# EAGLE board Mk4 Final Panel 8up 4x2 (EAGLE 9.0.1), part 16 of 23
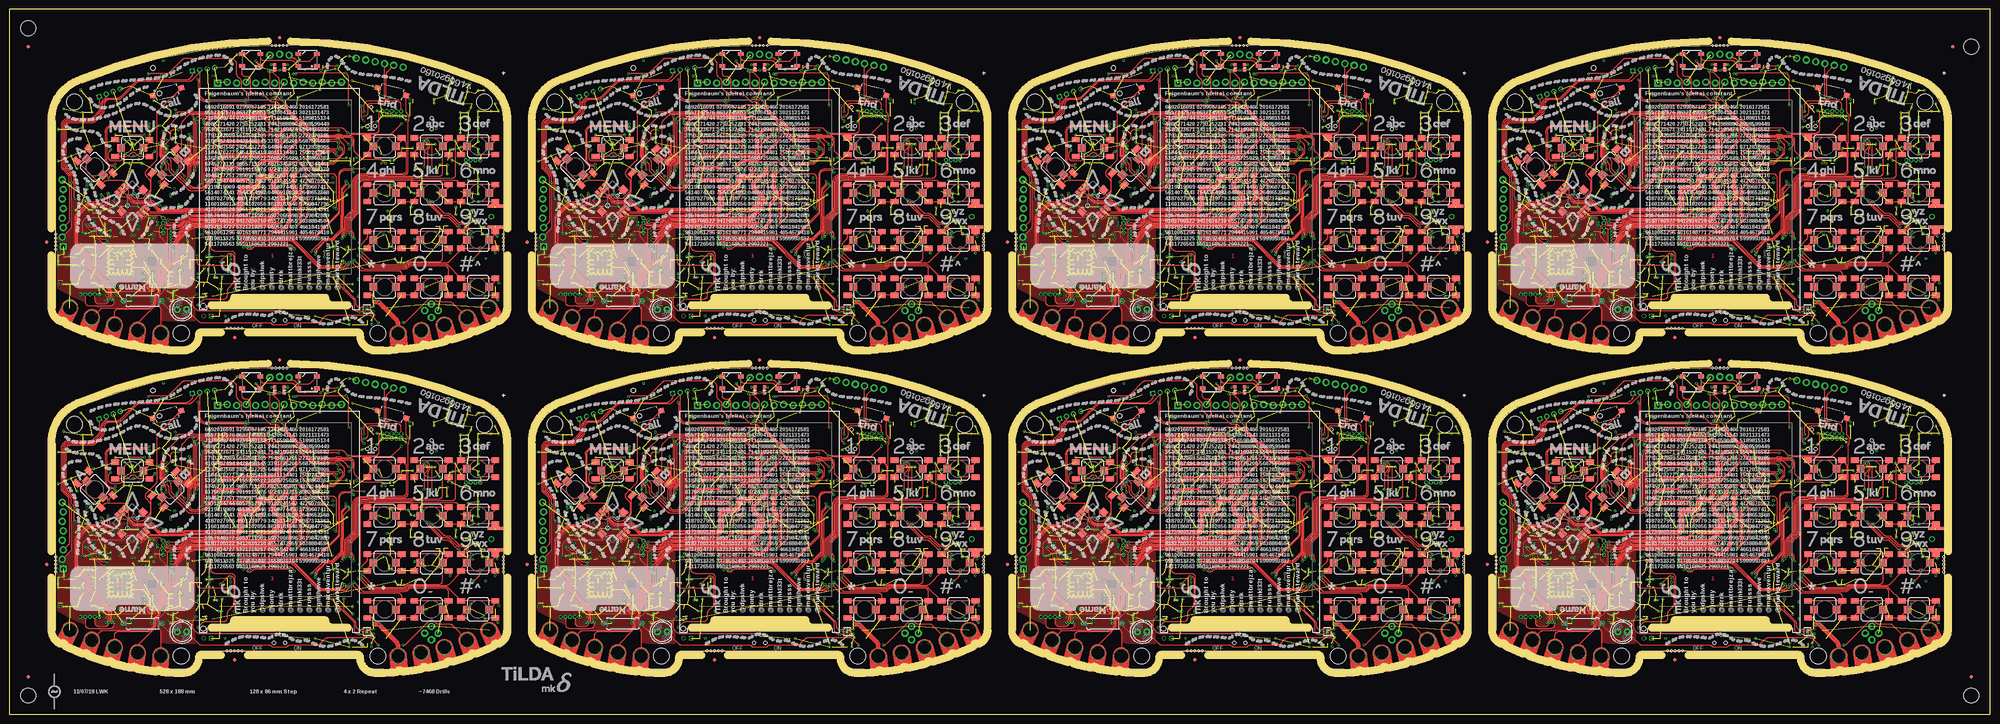
[diagram p0: board, top side]
## Tracks (layer width: path | path; a pad name or v marks a point on that pad's centre or on a via) (continued)
PWM3_MIC_PWM1  (via drill 0.3) (continued)
  Top 0.15: v215.7,66.3 215.39,66.61 arc45 214.69,66.9 210.39,66.9 210.37,66.88 208.98,66.88 arc-45 208.28,67.17 205.56,69.88 arc45 205.21,70.03 201.64,70.03 arc45 200.93,69.73 199.29,68.09 arc45 199,67.39 199,64.7 arc-90 198,63.7 194.48,63.7 arc-45 v194,63.9
  Bottom 0.15: IC20.45 193.29,63.6 arc45 v193.99,63.89 v194,63.9 | v215.7,66.3 215.39,66.61 arc-45 215.1,67.31 215.1,69.75 arc-90 216.1,70.75 R131.2
PWM3_MIC_PWM2  (via drill 0.3)
  Top 0.15: v87.7,152.3 87.39,152.61 arc45 86.69,152.9 82.39,152.9 82.37,152.88 80.98,152.88 arc-45 80.28,153.17 77.56,155.88 arc45 77.21,156.03 73.64,156.03 arc45 72.93,155.73 71.29,154.09 arc45 71,153.39 71,150.7 arc-90 70,149.7 66.48,149.7 arc-45 v66,149.9
  Bottom 0.15: IC38.45 65.29,149.6 arc45 v65.99,149.89 v66,149.9 | v87.7,152.3 87.39,152.61 arc-45 87.1,153.31 87.1,155.75 arc-90 88.1,156.75 R209.2
PWM3_MIC_PWM3  (via drill 0.3)
  Top 0.15: v215.7,152.3 215.39,152.61 arc45 214.69,152.9 210.39,152.9 210.37,152.88 208.98,152.88 arc-45 208.28,153.17 205.56,155.88 arc45 205.21,156.03 201.64,156.03 arc45 200.93,155.73 199.29,154.09 arc45 199,153.39 199,150.7 arc-90 198,149.7 194.48,149.7 arc-45 v194,149.9
  Bottom 0.15: IC56.45 193.29,149.6 arc45 v193.99,149.89 v194,149.9 | v215.7,152.3 215.39,152.61 arc-45 215.1,153.31 215.1,155.75 arc-90 216.1,156.75 R287.2
PWM3_MIC_PWM4  (via drill 0.3)
  Top 0.15: v343.7,66.3 343.39,66.61 arc45 342.69,66.9 338.39,66.9 338.37,66.88 336.98,66.88 arc-45 336.27,67.17 333.56,69.88 arc45 333.21,70.03 329.64,70.03 arc45 328.93,69.73 327.29,68.09 arc45 327,67.39 327,64.7 arc-90 326,63.7 322.48,63.7 arc-45 v322,63.9
  Bottom 0.15: IC74.45 321.29,63.6 arc45 v321.99,63.89 v322,63.9 | v343.7,66.3 343.39,66.61 arc-45 343.1,67.31 343.1,69.75 arc-90 344.1,70.75 R365.2
PWM3_MIC_PWM5  (via drill 0.3)
  Top 0.15: v471.7,66.3 471.39,66.61 arc45 470.69,66.9 466.39,66.9 466.37,66.88 464.98,66.88 arc-45 464.27,67.17 461.56,69.88 arc45 461.21,70.03 457.64,70.03 arc45 456.93,69.73 455.29,68.09 arc45 455,67.39 455,64.7 arc-90 454,63.7 450.48,63.7 arc-45 v450,63.9
  Bottom 0.15: IC92.45 449.29,63.6 arc45 v449.99,63.89 v450,63.9 | v471.7,66.3 471.39,66.61 arc-45 471.1,67.31 471.1,69.75 arc-90 472.1,70.75 R443.2
PWM3_MIC_PWM6  (via drill 0.3)
  Top 0.15: v343.7,152.3 343.39,152.61 arc45 342.69,152.9 338.39,152.9 338.37,152.88 336.98,152.88 arc-45 336.27,153.17 333.56,155.88 arc45 333.21,156.03 329.64,156.03 arc45 328.93,155.73 327.29,154.09 arc45 327,153.39 327,150.7 arc-90 326,149.7 322.48,149.7 arc-45 v322,149.9
  Bottom 0.15: IC110.45 321.29,149.6 arc45 v321.99,149.89 v322,149.9 | v343.7,152.3 343.39,152.61 arc-45 343.1,153.31 343.1,155.75 arc-90 344.1,156.75 R521.2
PWM3_MIC_PWM7  (via drill 0.3)
  Top 0.15: v471.7,152.3 471.39,152.61 arc45 470.69,152.9 466.39,152.9 466.37,152.88 464.98,152.88 arc-45 464.27,153.17 461.56,155.88 arc45 461.21,156.03 457.64,156.03 arc45 456.93,155.73 455.29,154.09 arc45 455,153.39 455,150.7 arc-90 454,149.7 450.48,149.7 arc-45 v450,149.9
  Bottom 0.15: IC128.45 449.29,149.6 arc45 v449.99,149.89 v450,149.9 | v471.7,152.3 471.39,152.61 arc-45 471.1,153.31 471.1,155.75 arc-90 472.1,156.75 R599.2
PWM6_LCD_BLIGHT  (via drill 0.3)
  Top 0.15: v87.1,48.8 87.1,57.2 arc90 86.1,58.2 80.99,58.2 arc-45 80.28,58.49 76.85,61.92 v76.85,62.15 | v65.5,70.6 66.03,70.07 arc-45 66.17,69.72 66.17,69.35 arc90 66.92,68.6 v70.8,68.6
  3V3@2 0.15: v70.8,68.6 76.85,62.55 v76.85,62.15
  Bottom 0.15: Q8.3 87.42,49.33 arc-45 87.28,48.98 v87.1,48.8 | IC1.63 65.3,70.8 v65.5,70.6
PWM6_LCD_BLIGHT1  (via drill 0.3)
  Top 0.15: v215.1,48.8 215.1,57.2 arc90 214.1,58.2 208.99,58.2 arc-45 208.28,58.49 204.85,61.92 v204.85,62.15 | v193.5,70.6 194.03,70.07 arc-45 194.18,69.72 194.18,69.35 arc90 194.93,68.6 v198.8,68.6
  3V3@2 0.15: v198.8,68.6 204.85,62.55 v204.85,62.15
  Bottom 0.15: Q4.3 215.42,49.33 arc-45 215.28,48.98 v215.1,48.8 | IC20.63 193.3,70.8 v193.5,70.6
PWM6_LCD_BLIGHT2  (via drill 0.3)
  Top 0.15: v87.1,134.8 87.1,143.2 arc90 86.1,144.2 80.99,144.2 arc-45 80.28,144.49 76.85,147.92 v76.85,148.15 | v65.5,156.6 66.03,156.07 arc-45 66.17,155.72 66.17,155.35 arc90 66.92,154.6 v70.8,154.6
  3V3@2 0.15: v70.8,154.6 76.85,148.55 v76.85,148.15
  Bottom 0.15: Q9.3 87.42,135.33 arc-45 87.28,134.98 v87.1,134.8 | IC38.63 65.3,156.8 v65.5,156.6
PWM6_LCD_BLIGHT3  (via drill 0.3)
  Top 0.15: v215.1,134.8 215.1,143.2 arc90 214.1,144.2 208.99,144.2 arc-45 208.28,144.49 204.85,147.92 v204.85,148.15 | v193.5,156.6 194.03,156.07 arc-45 194.18,155.72 194.18,155.35 arc90 194.93,154.6 v198.8,154.6
  3V3@2 0.15: v198.8,154.6 204.85,148.55 v204.85,148.15
  Bottom 0.15: Q13.3 215.42,135.33 arc-45 215.28,134.98 v215.1,134.8 | IC56.63 193.3,156.8 v193.5,156.6
PWM6_LCD_BLIGHT4  (via drill 0.3)
  Top 0.15: v343.1,48.8 343.1,57.2 arc90 342.1,58.2 336.99,58.2 arc-45 336.28,58.49 332.85,61.92 v332.85,62.15 | v321.5,70.6 322.03,70.07 arc-45 322.18,69.72 322.18,69.35 arc90 322.93,68.6 v326.8,68.6
  3V3@2 0.15: v326.8,68.6 332.85,62.55 v332.85,62.15
  Bottom 0.15: Q17.3 343.42,49.33 arc-45 343.28,48.98 v343.1,48.8 | IC74.63 321.3,70.8 v321.5,70.6
PWM6_LCD_BLIGHT5  (via drill 0.3)
  Top 0.15: v471.1,48.8 471.1,57.2 arc90 470.1,58.2 464.99,58.2 arc-45 464.28,58.49 460.85,61.92 v460.85,62.15 | v449.5,70.6 450.03,70.07 arc-45 450.18,69.72 450.18,69.35 arc90 450.93,68.6 v454.8,68.6
  3V3@2 0.15: v454.8,68.6 460.85,62.55 v460.85,62.15
  Bottom 0.15: Q21.3 471.42,49.33 arc-45 471.28,48.98 v471.1,48.8 | IC92.63 449.3,70.8 v449.5,70.6
PWM6_LCD_BLIGHT6  (via drill 0.3)
  Top 0.15: v343.1,134.8 343.1,143.2 arc90 342.1,144.2 336.99,144.2 arc-45 336.28,144.49 332.85,147.92 v332.85,148.15 | v321.5,156.6 322.03,156.07 arc-45 322.18,155.72 322.18,155.35 arc90 322.93,154.6 v326.8,154.6
  3V3@2 0.15: v326.8,154.6 332.85,148.55 v332.85,148.15
  Bottom 0.15: Q25.3 343.42,135.33 arc-45 343.28,134.98 v343.1,134.8 | IC110.63 321.3,156.8 v321.5,156.6
PWM6_LCD_BLIGHT7  (via drill 0.3)
  Top 0.15: v471.1,134.8 471.1,143.2 arc90 470.1,144.2 464.99,144.2 arc-45 464.28,144.49 460.85,147.92 v460.85,148.15 | v449.5,156.6 450.03,156.07 arc-45 450.18,155.72 450.18,155.35 arc90 450.93,154.6 v454.8,154.6
  3V3@2 0.15: v454.8,154.6 460.85,148.55 v460.85,148.15
  Bottom 0.15: Q29.3 471.42,135.33 arc-45 471.28,134.98 v471.1,134.8 | IC128.63 449.3,156.8 v449.5,156.6
PWR_KEY_FET
  Bottom 0.15: IC5.39 111.4,43.25 arc-90 109.9,41.75 103.67,41.75 Q1.3
PWR_KEY_FET1
  Bottom 0.15: IC21.39 239.4,43.25 arc-90 237.9,41.75 231.68,41.75 Q6.3
PWR_KEY_FET2
  Bottom 0.15: IC39.39 111.4,129.25 arc-90 109.9,127.75 103.67,127.75 Q11.3
PWR_KEY_FET3
  Bottom 0.15: IC57.39 239.4,129.25 arc-90 237.9,127.75 231.68,127.75 Q15.3
PWR_KEY_FET4
  Bottom 0.15: IC75.39 367.4,43.25 arc-90 365.9,41.75 359.68,41.75 Q19.3
PWR_KEY_FET5
  Bottom 0.15: IC93.39 495.4,43.25 arc-90 493.9,41.75 487.68,41.75 Q23.3
PWR_KEY_FET6
  Bottom 0.15: IC111.39 367.4,129.25 arc-90 365.9,127.75 359.68,127.75 Q27.3
PWR_KEY_FET7
  Bottom 0.15: IC129.39 495.4,129.25 arc-90 493.9,127.75 487.68,127.75 Q31.3
RBIAS+
  Bottom 0.2: IC1.59 62.8,69.2 R3.1
RBIAS+1
  Bottom 0.2: IC20.59 190.8,69.2 R87.1
RBIAS+2
  Bottom 0.2: IC38.59 62.8,155.2 R165.1
RBIAS+3
  Bottom 0.2: IC56.59 190.8,155.2 R243.1
RBIAS+4
  Bottom 0.2: IC74.59 318.8,69.2 R321.1
RBIAS+5
  Bottom 0.2: IC92.59 446.8,69.2 R399.1
RBIAS+6
  Bottom 0.2: IC110.59 318.8,155.2 R477.1
RBIAS+7
  Bottom 0.2: IC128.59 446.8,155.2 R555.1
SDRAM_!CAS  (via drill 0.3)
  Top 0.15: v55.5,62.25 55.96,62.71 arc-45 56.66,63 70.1,63 arc90 71.6,64.5 71.6,66.69 arc-45 71.89,67.39 v72.5,68
  Bottom 0.15: IC2.17 54.95,62.3 55,62.25 v55.5,62.25 | IC1.83 73,68.91 arc-45 72.71,68.21 v72.5,68
SDRAM_!CAS1  (via drill 0.3)
  Top 0.15: v183.5,62.25 183.96,62.71 arc-45 184.66,63 198.1,63 arc90 199.6,64.5 199.6,66.69 arc-45 199.89,67.39 v200.5,68
  Bottom 0.15: IC19.17 182.95,62.3 183,62.25 v183.5,62.25 | IC20.83 201,68.91 arc-45 200.71,68.21 v200.5,68
SDRAM_!CAS2  (via drill 0.3)
  Top 0.15: v55.5,148.25 55.96,148.71 arc-45 56.66,149 70.1,149 arc90 71.6,150.5 71.6,152.69 arc-45 71.89,153.39 v72.5,154
  Bottom 0.15: IC37.17 54.95,148.3 55,148.25 v55.5,148.25 | IC38.83 73,154.91 arc-45 72.71,154.21 v72.5,154
SDRAM_!CAS3  (via drill 0.3)
  Top 0.15: v183.5,148.25 183.96,148.71 arc-45 184.66,149 198.1,149 arc90 199.6,150.5 199.6,152.69 arc-45 199.89,153.39 v200.5,154
  Bottom 0.15: IC55.17 182.95,148.3 183,148.25 v183.5,148.25 | IC56.83 201,154.91 arc-45 200.71,154.21 v200.5,154
SDRAM_!CAS4  (via drill 0.3)
  Top 0.15: v311.5,62.25 311.96,62.71 arc-45 312.66,63 326.1,63 arc90 327.6,64.5 327.6,66.69 arc-45 327.89,67.39 v328.5,68
  Bottom 0.15: IC73.17 310.95,62.3 311,62.25 v311.5,62.25 | IC74.83 329,68.91 arc-45 328.71,68.21 v328.5,68
SDRAM_!CAS5  (via drill 0.3)
  Top 0.15: v439.5,62.25 439.96,62.71 arc-45 440.66,63 454.1,63 arc90 455.6,64.5 455.6,66.69 arc-45 455.89,67.39 v456.5,68
  Bottom 0.15: IC91.17 438.95,62.3 439,62.25 v439.5,62.25 | IC92.83 457,68.91 arc-45 456.71,68.21 v456.5,68
SDRAM_!CAS6  (via drill 0.3)
  Top 0.15: v311.5,148.25 311.96,148.71 arc-45 312.66,149 326.1,149 arc90 327.6,150.5 327.6,152.69 arc-45 327.89,153.39 v328.5,154
  Bottom 0.15: IC109.17 310.95,148.3 311,148.25 v311.5,148.25 | IC110.83 329,154.91 arc-45 328.71,154.21 v328.5,154
SDRAM_!CAS7  (via drill 0.3)
  Top 0.15: v439.5,148.25 439.96,148.71 arc-45 440.66,149 454.1,149 arc90 455.6,150.5 455.6,152.69 arc-45 455.89,153.39 v456.5,154
  Bottom 0.15: IC127.17 438.95,148.3 439,148.25 v439.5,148.25 | IC128.83 457,154.91 arc-45 456.71,154.21 v456.5,154
SDRAM_!CS  (via drill 0.3)
  Top 0.15: v75.5,68.75 75.16,68.41 arc-45 74.89,68.3 arc45 74.18,68.01 72.49,66.32 arc45 72.2,65.61 72.2,64.4 arc-90 70.2,62.4 57.56,62.4 arc45 56.86,62.11 v55.5,60.75
  Bottom 0.15: IC2.19 54.43,60.75 v55.5,60.75 | IC1.103 78.55,68.8 arc-45 78.43,68.75 v75.5,68.75
SDRAM_!CS1  (via drill 0.3)
  Top 0.15: v203.5,68.75 203.16,68.41 arc-45 202.89,68.3 arc45 202.18,68.01 200.49,66.32 arc45 200.2,65.61 200.2,64.4 arc-90 198.2,62.4 185.56,62.4 arc45 184.86,62.11 v183.5,60.75
  Bottom 0.15: IC19.19 182.43,60.75 v183.5,60.75 | IC20.103 206.55,68.8 arc-45 206.43,68.75 v203.5,68.75
SDRAM_!CS2  (via drill 0.3)
  Top 0.15: v75.5,154.75 75.16,154.41 arc-45 74.89,154.3 arc45 74.18,154.01 72.49,152.32 arc45 72.2,151.61 72.2,150.4 arc-90 70.2,148.4 57.56,148.4 arc45 56.86,148.11 v55.5,146.75
  Bottom 0.15: IC37.19 54.43,146.75 v55.5,146.75 | IC38.103 78.55,154.8 arc-45 78.43,154.75 v75.5,154.75
SDRAM_!CS3  (via drill 0.3)
  Top 0.15: v203.5,154.75 203.16,154.41 arc-45 202.89,154.3 arc45 202.18,154.01 200.49,152.32 arc45 200.2,151.61 200.2,150.4 arc-90 198.2,148.4 185.56,148.4 arc45 184.86,148.11 v183.5,146.75
  Bottom 0.15: IC55.19 182.43,146.75 v183.5,146.75 | IC56.103 206.55,154.8 arc-45 206.43,154.75 v203.5,154.75
SDRAM_!CS4  (via drill 0.3)
  Top 0.15: v331.5,68.75 331.16,68.41 arc-45 330.89,68.3 arc45 330.18,68.01 328.49,66.32 arc45 328.2,65.61 328.2,64.4 arc-90 326.2,62.4 313.56,62.4 arc45 312.86,62.11 v311.5,60.75
  Bottom 0.15: IC73.19 310.43,60.75 v311.5,60.75 | IC74.103 334.55,68.8 arc-45 334.43,68.75 v331.5,68.75
SDRAM_!CS5  (via drill 0.3)
  Top 0.15: v459.5,68.75 459.16,68.41 arc-45 458.89,68.3 arc45 458.18,68.01 456.49,66.32 arc45 456.2,65.61 456.2,64.4 arc-90 454.2,62.4 441.56,62.4 arc45 440.86,62.11 v439.5,60.75
  Bottom 0.15: IC91.19 438.43,60.75 v439.5,60.75 | IC92.103 462.55,68.8 arc-45 462.43,68.75 v459.5,68.75
SDRAM_!CS6  (via drill 0.3)
  Top 0.15: v331.5,154.75 331.16,154.41 arc-45 330.89,154.3 arc45 330.18,154.01 328.49,152.32 arc45 328.2,151.61 328.2,150.4 arc-90 326.2,148.4 313.56,148.4 arc45 312.86,148.11 v311.5,146.75
  Bottom 0.15: IC109.19 310.43,146.75 v311.5,146.75 | IC110.103 334.55,154.8 arc-45 334.43,154.75 v331.5,154.75
SDRAM_!CS7  (via drill 0.3)
  Top 0.15: v459.5,154.75 459.16,154.41 arc-45 458.89,154.3 arc45 458.18,154.01 456.49,152.32 arc45 456.2,151.61 456.2,150.4 arc-90 454.2,148.4 441.56,148.4 arc45 440.86,148.11 v439.5,146.75
  Bottom 0.15: IC127.19 438.43,146.75 v439.5,146.75 | IC128.103 462.55,154.8 arc-45 462.43,154.75 v459.5,154.75
SDRAM_!RAS  (via drill 0.3)
  Top 0.15: v55.5,61.5 56.41,62.41 arc-45 57.11,62.7 70.15,62.7 arc90 71.9,64.45 71.9,66.24 arc-45 72.19,66.94 v73.25,68
  Bottom 0.15: IC2.18 v55.5,61.5 | IC1.84 73.4,68.36 arc-45 v73.25,68
SDRAM_!RAS1  (via drill 0.3)
  Top 0.15: v183.5,61.5 184.41,62.41 arc-45 185.11,62.7 198.15,62.7 arc90 199.9,64.45 199.9,66.24 arc-45 200.19,66.94 v201.25,68
  Bottom 0.15: IC19.18 v183.5,61.5 | IC20.84 201.4,68.36 arc-45 v201.25,68
SDRAM_!RAS2  (via drill 0.3)
  Top 0.15: v55.5,147.5 56.41,148.41 arc-45 57.11,148.7 70.15,148.7 arc90 71.9,150.45 71.9,152.24 arc-45 72.19,152.94 v73.25,154
  Bottom 0.15: IC37.18 v55.5,147.5 | IC38.84 73.4,154.36 arc-45 v73.25,154
SDRAM_!RAS3  (via drill 0.3)
  Top 0.15: v183.5,147.5 184.41,148.41 arc-45 185.11,148.7 198.15,148.7 arc90 199.9,150.45 199.9,152.24 arc-45 200.19,152.94 v201.25,154
  Bottom 0.15: IC55.18 v183.5,147.5 | IC56.84 201.4,154.36 arc-45 v201.25,154
SDRAM_!RAS4  (via drill 0.3)
  Top 0.15: v311.5,61.5 312.41,62.41 arc-45 313.11,62.7 326.15,62.7 arc90 327.9,64.45 327.9,66.24 arc-45 328.19,66.94 v329.25,68
  Bottom 0.15: IC73.18 v311.5,61.5 | IC74.84 329.4,68.36 arc-45 v329.25,68
SDRAM_!RAS5  (via drill 0.3)
  Top 0.15: v439.5,61.5 440.41,62.41 arc-45 441.11,62.7 454.15,62.7 arc90 455.9,64.45 455.9,66.24 arc-45 456.19,66.94 v457.25,68
  Bottom 0.15: IC91.18 v439.5,61.5 | IC92.84 457.4,68.36 arc-45 v457.25,68
SDRAM_!RAS6  (via drill 0.3)
  Top 0.15: v311.5,147.5 312.41,148.41 arc-45 313.11,148.7 326.15,148.7 arc90 327.9,150.45 327.9,152.24 arc-45 328.19,152.94 v329.25,154
  Bottom 0.15: IC109.18 v311.5,147.5 | IC110.84 329.4,154.36 arc-45 v329.25,154
SDRAM_!RAS7  (via drill 0.3)
  Top 0.15: v439.5,147.5 440.41,148.41 arc-45 441.11,148.7 454.15,148.7 arc90 455.9,150.45 455.9,152.24 arc-45 456.19,152.94 v457.25,154
  Bottom 0.15: IC127.18 v439.5,147.5 | IC128.84 457.4,154.36 arc-45 v457.25,154
SDRAM_!WE  (via drill 0.3)
  Top 0.15: v75.5,69.5 73.54,69.5 arc45 72.83,69.21 71.59,67.97 arc45 71.3,67.26 71.3,64.62 arc-90 70.05,63.38 56.29,63.38 arc45 55.58,63.08 v55.5,63
  Bottom 0.15: IC2.16 54.9,63.1 55,63 v55.5,63 | IC1.92 76.6,71.01 arc-45 76.31,70.31 v75.5,69.5
SDRAM_!WE1  (via drill 0.3)
  Top 0.15: v203.5,69.5 201.54,69.5 arc45 200.83,69.21 199.59,67.97 arc45 199.3,67.26 199.3,64.62 arc-90 198.05,63.38 184.29,63.38 arc45 183.58,63.08 v183.5,63
  Bottom 0.15: IC19.16 182.9,63.1 183,63 v183.5,63 | IC20.92 204.6,71.01 arc-45 204.31,70.31 v203.5,69.5
SDRAM_!WE2  (via drill 0.3)
  Top 0.15: v75.5,155.5 73.54,155.5 arc45 72.83,155.21 71.59,153.97 arc45 71.3,153.26 71.3,150.62 arc-90 70.05,149.38 56.29,149.38 arc45 55.58,149.08 v55.5,149
  Bottom 0.15: IC37.16 54.9,149.1 55,149 v55.5,149 | IC38.92 76.6,157.01 arc-45 76.31,156.31 v75.5,155.5
SDRAM_!WE3  (via drill 0.3)
  Top 0.15: v203.5,155.5 201.54,155.5 arc45 200.83,155.21 199.59,153.97 arc45 199.3,153.26 199.3,150.62 arc-90 198.05,149.38 184.29,149.38 arc45 183.58,149.08 v183.5,149
  Bottom 0.15: IC55.16 182.9,149.1 183,149 v183.5,149 | IC56.92 204.6,157.01 arc-45 204.31,156.31 v203.5,155.5
SDRAM_!WE4  (via drill 0.3)
  Top 0.15: v331.5,69.5 329.54,69.5 arc45 328.83,69.21 327.59,67.97 arc45 327.3,67.26 327.3,64.62 arc-90 326.05,63.38 312.29,63.38 arc45 311.58,63.08 v311.5,63
  Bottom 0.15: IC73.16 310.9,63.1 311,63 v311.5,63 | IC74.92 332.6,71.01 arc-45 332.31,70.31 v331.5,69.5
SDRAM_!WE5  (via drill 0.3)
  Top 0.15: v459.5,69.5 457.54,69.5 arc45 456.83,69.21 455.59,67.97 arc45 455.3,67.26 455.3,64.62 arc-90 454.05,63.38 440.29,63.38 arc45 439.58,63.08 v439.5,63
  Bottom 0.15: IC91.16 438.9,63.1 439,63 v439.5,63 | IC92.92 460.6,71.01 arc-45 460.31,70.31 v459.5,69.5
SDRAM_!WE6  (via drill 0.3)
  Top 0.15: v331.5,155.5 329.54,155.5 arc45 328.83,155.21 327.59,153.97 arc45 327.3,153.26 327.3,150.62 arc-90 326.05,149.38 312.29,149.38 arc45 311.58,149.08 v311.5,149
  Bottom 0.15: IC109.16 310.9,149.1 311,149 v311.5,149 | IC110.92 332.6,157.01 arc-45 332.31,156.31 v331.5,155.5
SDRAM_!WE7  (via drill 0.3)
  Top 0.15: v459.5,155.5 457.54,155.5 arc45 456.83,155.21 455.59,153.97 arc45 455.3,153.26 455.3,150.62 arc-90 454.05,149.38 440.29,149.38 arc45 439.58,149.08 v439.5,149
  Bottom 0.15: IC127.16 438.9,149.1 439,149 v439.5,149 | IC128.92 460.6,157.01 arc-45 460.31,156.31 v459.5,155.5
SDRAM_A0  (via drill 0.3)
  Top 0.15: v49,73.5 v49,73.49 48.98,73.47 48.98,68.27 49.02,68.22 49.02,63.7 arc45 49.32,62.99 49.73,62.58 arc-90 49.73,61.17 49.27,60.7 arc45 48.98,60 48.98,58.52 49.02,58.47 49.02,58.03 49,58.01 v49,57.5 | v64.3,57.5 63.99,57.19 arc-45 63.29,56.9 56.51,56.9 arc-45 55.81,57.19 v55.5,57.5
  Bottom 0.15: IC2.2 50.21,74.3 arc45 49.51,74.01 v49,73.5 | IC1.29 67,58.02 arc90 66.5,58.52 66.12,58.52 | v55.5,57.5 IC2.23 v49,57.5 | 66.12,58.52 | 66.12,58.52 65.68,58.52 arc45 65.08,58.28 v64.3,57.5
SDRAM_A1  (via drill 0.3)
  Top 0.15: v64.3,56.75 arc-45 63.94,56.6 55.86,56.6 arc-45 v55.5,56.75 | v51.75,72.5 52.11,72.14 arc-45 52.4,71.44 52.4,70.13 arc45 52.44,70.03 arc-45 52.5,69.89 v52.5,56.75
  Bottom 0.15: v51.75,72.5 arc-45 52.23,72.7 IC2.4 | IC1.30 66.6,57.98 arc90 66.35,58.23 65.68,58.23 arc45 65.33,58.08 65.21,57.96 arc45 65,57.45 arc-90 v64.3,56.75 | v55.5,56.75 55.07,56.75 arc45 54.95,56.7 IC2.24 53.8,56.7 53.75,56.75 v52.5,56.75
SDRAM_A2  (via drill 0.3)
  Top 0.15: v51.7,71.75 51.73,71.72 arc-45 52.02,71.01 52.02,58.4 51.98,58.35 51.98,56.02 v52,56 | v64.3,56 v64.29,56.01 arc45 63.59,56.3 56.21,56.3 arc45 v55.51,56.01 v55.5,56
  Bottom 0.15: v51.7,71.75 arc-45 52.06,71.9 IC2.5 | v55.5,56 55.08,56 arc45 54.94,55.94 54.9,55.9 IC2.25 53.85,55.9 53.81,55.94 arc45 53.67,56 v52,56 | IC1.31 66.2,55.85 arc-90 65.7,55.35 64.8,55.35 arc-90 64.3,55.85 v64.3,56 v64.3,55.99
SDRAM_A3  (via drill 0.3)
  Top 0.15: v51.5,70.25 51.48,70.22 51.48,55.27 v51.5,55.25 | v55.5,55.25 55.96,55.71 arc-45 56.66,56 63.14,56 arc-45 63.84,55.71 64.02,55.53 arc90 64.73,55.53 v65.2,56
  Bottom 0.15: v55.5,55.25 55,55.25 54.85,55.1 IC2.26 53.9,55.1 53.81,55.19 arc45 53.67,55.25 v51.5,55.25 | v65.2,56 65.3,56 arc90 65.8,56.5 IC1.32 | v51.5,70.25 51.52,70.25 51.57,70.2 52.61,70.2 arc-45 52.75,70.14 52.77,70.11 arc90 53.84,70.11 54.02,70.3 IC2.7
SDRAM_A4  (via drill 0.3)
  Top 0.15: v55.5,69.5 56.58,68.42 arc45 57.29,68.12 66.71,68.12 arc-45 67.42,67.83 v68.25,67 | v50.75,69.5 50.95,69.3 arc-45 51.1,68.94 51.1,55.76 arc-45 50.95,55.4 v50.55,55
  Bottom 0.15: IC1.22 69.8,65.04 arc45 69.51,65.74 v68.25,67 | v50.75,69.5 IC2.8 v55.5,69.5 | IC2.29 43.59,55.1 arc-45 43.69,55.06 arc45 43.83,55 v50.55,55
SDRAM_A5  (via drill 0.3)
  Top 0.15: v48,68.75 47.98,68.72 47.98,67.58 arc45 48.02,67.48 arc-45 48.08,67.34 48.08,63.8 arc45 48.37,63.09 49.23,62.23 arc-90 49.23,61.52 48.27,60.55 arc45 47.98,59.85 47.98,57.4 48.02,57.35 48.02,56.02 v48,56 | v68.25,66 67.54,66.71 arc45 66.84,67 63.67,67 arc-45 63.53,67.06 63.52,67.07 arc45 63.38,67.12 56.79,67.12 arc-45 56.08,67.42 v55.5,68
  Bottom 0.15: v68.25,66 69.11,65.14 arc-45 69.4,64.44 IC1.23 | v48,68.75 48.09,68.75 arc-45 48.79,68.46 48.96,68.29 arc45 49.66,68 53.42,68 arc-45 53.56,67.94 arc45 53.66,67.9 IC2.10 54.82,67.9 arc45 54.96,67.96 arc-45 55.06,68 v55.5,68 | IC2.30 43.59,55.9 arc45 43.69,55.94 arc-45 43.83,56 v48,56
SDRAM_A6  (via drill 0.3)
  Top 0.15: v47.5,67.25 47.5,65.74 47.52,65.72 47.52,63.93 arc45 47.82,63.22 48.99,62.05 arc-90 48.99,61.7 47.79,60.5 arc45 47.5,59.8 v47.5,56.75 | v68.25,65.25 67.09,66.41 arc45 66.39,66.7 63.55,66.7 arc-45 63.41,66.76 63.4,66.77 arc45 63.26,66.83 56.34,66.83 arc-45 55.63,67.12 v55.5,67.25
  Bottom 0.15: v68.25,65.25 68.71,64.79 arc-45 69,64.09 IC1.24 | v47.5,67.25 53.42,67.25 arc-45 53.56,67.19 53.59,67.16 arc45 53.73,67.1 IC2.11 54.77,67.1 arc45 54.91,67.16 54.94,67.19 arc-45 55.08,67.25 v55.5,67.25 | IC2.31 43.7,56.7 arc-45 43.82,56.75 v47.5,56.75
SDRAM_A7  (via drill 0.3)
  Top 0.15: v68.3,64.3 66.49,66.11 arc45 65.79,66.4 63.42,66.4 arc-45 63.28,66.46 63.28,66.47 arc45 63.13,66.53 56.94,66.53 arc45 56.23,66.23 v55.5,65.5 | v47,65.5 47,62.83 arc-45 46.71,62.12 46.14,61.56 arc45 45.85,60.85 45.85,58.81 arc45 46.14,58.11 v46.75,57.5
  Bottom 0.15: v55.5,65.5 IC2.13 v47,65.5 | IC2.32 v46.75,57.5 | IC1.25 68.6,59.26 68.62,59.28 68.62,63.56 arc45 68.33,64.27 v68.3,64.3
SDRAM_A8  (via drill 0.3)
  Top 0.15: v61.75,60.1 v61.74,60.09 arc-45 61.04,59.8 55.75,59.8 arc90 54.5,58.55 54.5,57.5 arc-45 54.21,56.79 51.89,54.47 arc-45 51.18,54.17 48.74,54.17 arc-45 48.03,54.47 v44.25,58.25 43.29,59.21 arc-45 43,59.91 43,61.33 arc45 42.71,62.03 41.47,63.27 arc-45 41.4,63.45 41.4,64.69 arc-45 41.55,65.05 v42,65.5
  Bottom 0.15: IC2.42 v42,65.5 | IC2.33 43.7,58.3 arc45 43.82,58.25 v44.25,58.25 | IC1.40 63.66,61.6 arc45 62.96,61.31 v61.75,60.1
SDRAM_A9  (via drill 0.3)
  Top 0.15: v41.75,59.25 41.75,60.34 arc45 41.46,61.05 41.38,61.12 arc-45 41.16,61.65 41.16,62.58 arc45 41.09,62.76 40.87,62.98 arc-45 40.8,63.16 40.8,65.24 arc-45 40.95,65.59 41.02,65.67 arc45 41.16,66.02 41.16,66.25 arc-45 41.46,66.96 v41.75,67.25 | v62.65,61.75 61.32,60.42 arc-45 60.61,60.12 55.5,60.12 arc90 54,58.62 54,57.42 arc-45 53.71,56.72 51.76,54.77 arc-45 51.05,54.48 49.2,54.48 arc-45 48.49,54.77 45.04,58.22 arc-45 44.75,58.92 v44.75,59
  Bottom 0.15: IC2.44 42.65,67.1 42.65,67.1 arc45 42.29,67.25 v41.75,67.25 | v41.75,59.25 42.29,59.25 arc-45 42.65,59.1 IC2.34 44.51,59.1 arc-45 v44.75,59 | IC1.41 63.25,62 arc45 v62.65,61.75
SDRAM_A10  (via drill 0.3)
  Top 0.15: v55.5,58.25 55.58,58.17 65.35,58.17 arc45 66.06,58.47 66.9,59.31 arc45 67.05,59.66 v67.05,59.8 | v48.5,58.25 48.5,59.95 arc-45 48.79,60.65 49.48,61.34 arc90 49.48,62.4 48.79,63.09 arc-45 48.5,63.8 v48.5,68
  Bottom 0.15: IC2.45 43.82,67.9 arc45 43.96,67.96 arc-45 44.06,68 v48.5,68 | v55.5,58.25 55,58.25 54.95,58.3 IC2.22 53.8,58.3 arc-45 53.68,58.25 v48.5,58.25 | IC1.50 65.54,65.6 arc-45 66.24,65.31 66.76,64.79 arc-45 67.05,64.09 v67.05,59.8
SDRAM_A11  (via drill 0.3)
  Top 0.15: v41,69.5 41,68.41 arc-45 40.71,67.71 arc45 40.5,67.21 40.5,66.49 40.52,66.47 40.52,66.1 arc-45 40.48,65.98 40.48,65.97 40.35,65.84 arc45 40.2,65.49 40.2,62.91 arc45 40.27,62.73 40.4,62.6 arc-45 40.48,62.42 40.48,60.53 40.5,60.51 v40.5,60 | v53.25,60.75 54.68,62.18 arc45 54.98,62.89 54.98,63.71 arc-45 55.27,64.42 56.46,65.61 arc-45 57.16,65.9 61.94,65.9 arc-45 62.64,65.61 62.96,65.29 arc45 63.66,65 v65.75,65
  Bottom 0.15: IC2.47 v41,69.5 | v40.5,60 42.42,60 arc-45 42.56,59.94 42.6,59.9 IC2.35 48.49,59.9 arc45 49.19,60.19 49.46,60.46 arc-45 50.16,60.75 v53.25,60.75 | IC1.49 65.27,65.2 arc-45 v65.75,65
SDRAM_A12  (via drill 0.3)
  Top 0.15: v41,60.75 41,61.08 40.86,61.22 40.86,62.46 arc45 40.79,62.64 40.57,62.85 arc-45 40.5,63.03 40.5,65.37 arc-45 40.65,65.72 40.72,65.79 arc45 40.86,66.14 40.86,66.95 arc-45 41.16,67.66 41.46,67.96 arc45 41.75,68.66 v41.75,70.25 45.53,74.03 arc-45 46.24,74.33 56.73,74.33 56.79,74.38 arc-90 58.21,74.38 58.42,74.17 68.97,74.17 arc-45 v69.47,73.97
  Bottom 0.15: IC2.48 42.55,70.3 42.5,70.25 v41.75,70.25 | IC2.36 42.55,60.7 42.5,60.75 v41,60.75 | v69.47,73.97 69.8,73.64 IC1.75
SDRAM_A13  (via drill 0.3)
  Top 0.15: v177,73.5 v177,73.49 176.97,73.47 176.97,68.27 177.03,68.22 177.03,63.7 arc45 177.32,62.99 177.73,62.58 arc-90 177.73,61.17 177.27,60.7 arc45 176.97,60 176.97,58.52 177.03,58.47 177.03,58.03 177,58.01 v177,57.5 | v192.3,57.5 191.99,57.19 arc-45 191.29,56.9 184.51,56.9 arc-45 183.81,57.19 v183.5,57.5
  Bottom 0.15: IC19.2 178.21,74.3 arc45 177.51,74.01 v177,73.5 | IC20.29 195,58.02 arc90 194.5,58.52 194.12,58.52 | v183.5,57.5 IC19.23 v177,57.5 | 194.12,58.52 | 194.12,58.52 193.68,58.52 arc45 193.08,58.28 v192.3,57.5
SDRAM_A14  (via drill 0.3)
  Top 0.15: v192.3,56.75 arc-45 191.94,56.6 183.86,56.6 arc-45 v183.5,56.75 | v179.75,72.5 180.11,72.14 arc-45 180.4,71.44 180.4,70.13 arc45 180.44,70.03 arc-45 180.5,69.89 v180.5,56.75
  Bottom 0.15: v179.75,72.5 arc-45 180.23,72.7 IC19.4 | IC20.30 194.6,57.98 arc90 194.35,58.23 193.68,58.23 arc45 193.33,58.08 193.21,57.96 arc45 193,57.45 arc-90 v192.3,56.75 | v183.5,56.75 183.07,56.75 arc45 182.95,56.7 IC19.24 181.8,56.7 181.75,56.75 v180.5,56.75
SDRAM_A15  (via drill 0.3)
  Top 0.15: v179.7,71.75 179.73,71.72 arc-45 180.03,71.01 180.03,58.4 179.97,58.35 179.97,56.02 v180,56 | v192.3,56 v192.29,56.01 arc45 191.59,56.3 184.21,56.3 arc45 v183.51,56.01 v183.5,56
  Bottom 0.15: v179.7,71.75 arc-45 180.06,71.9 IC19.5 | v183.5,56 183.08,56 arc45 182.94,55.94 182.9,55.9 IC19.25 181.85,55.9 181.81,55.94 arc45 181.67,56 v180,56 | IC20.31 194.2,55.85 arc-90 193.7,55.35 192.8,55.35 arc-90 192.3,55.85 v192.3,56 v192.3,55.99
SDRAM_A16  (via drill 0.3)
  Top 0.15: v179.5,70.25 179.47,70.22 179.47,55.27 v179.5,55.25 | v183.5,55.25 183.96,55.71 arc-45 184.66,56 191.14,56 arc-45 191.84,55.71 192.02,55.53 arc90 192.73,55.53 v193.2,56
  Bottom 0.15: v183.5,55.25 183,55.25 182.85,55.1 IC19.26 181.9,55.1 181.81,55.19 arc45 181.67,55.25 v179.5,55.25 | v193.2,56 193.3,56 arc90 193.8,56.5 IC20.32 | v179.5,70.25 179.52,70.25 179.57,70.2 180.61,70.2 arc-45 180.75,70.14 180.78,70.11 arc90 181.83,70.11 182.02,70.3 IC19.7